# Altium PCB D5035_51.PcbDoc
Units mm, origin at the board's own origin, x right, y up, seen from the top; angles counter-clockwise.
Board outline 69 x 39 mm, 2 copper layers (Top Layer, Bottom Layer), stack 1.57 mm thick; 85 components, 68 nets, 275 pads, 49 vias.
Unrouted connection lines stored in the file: 1.
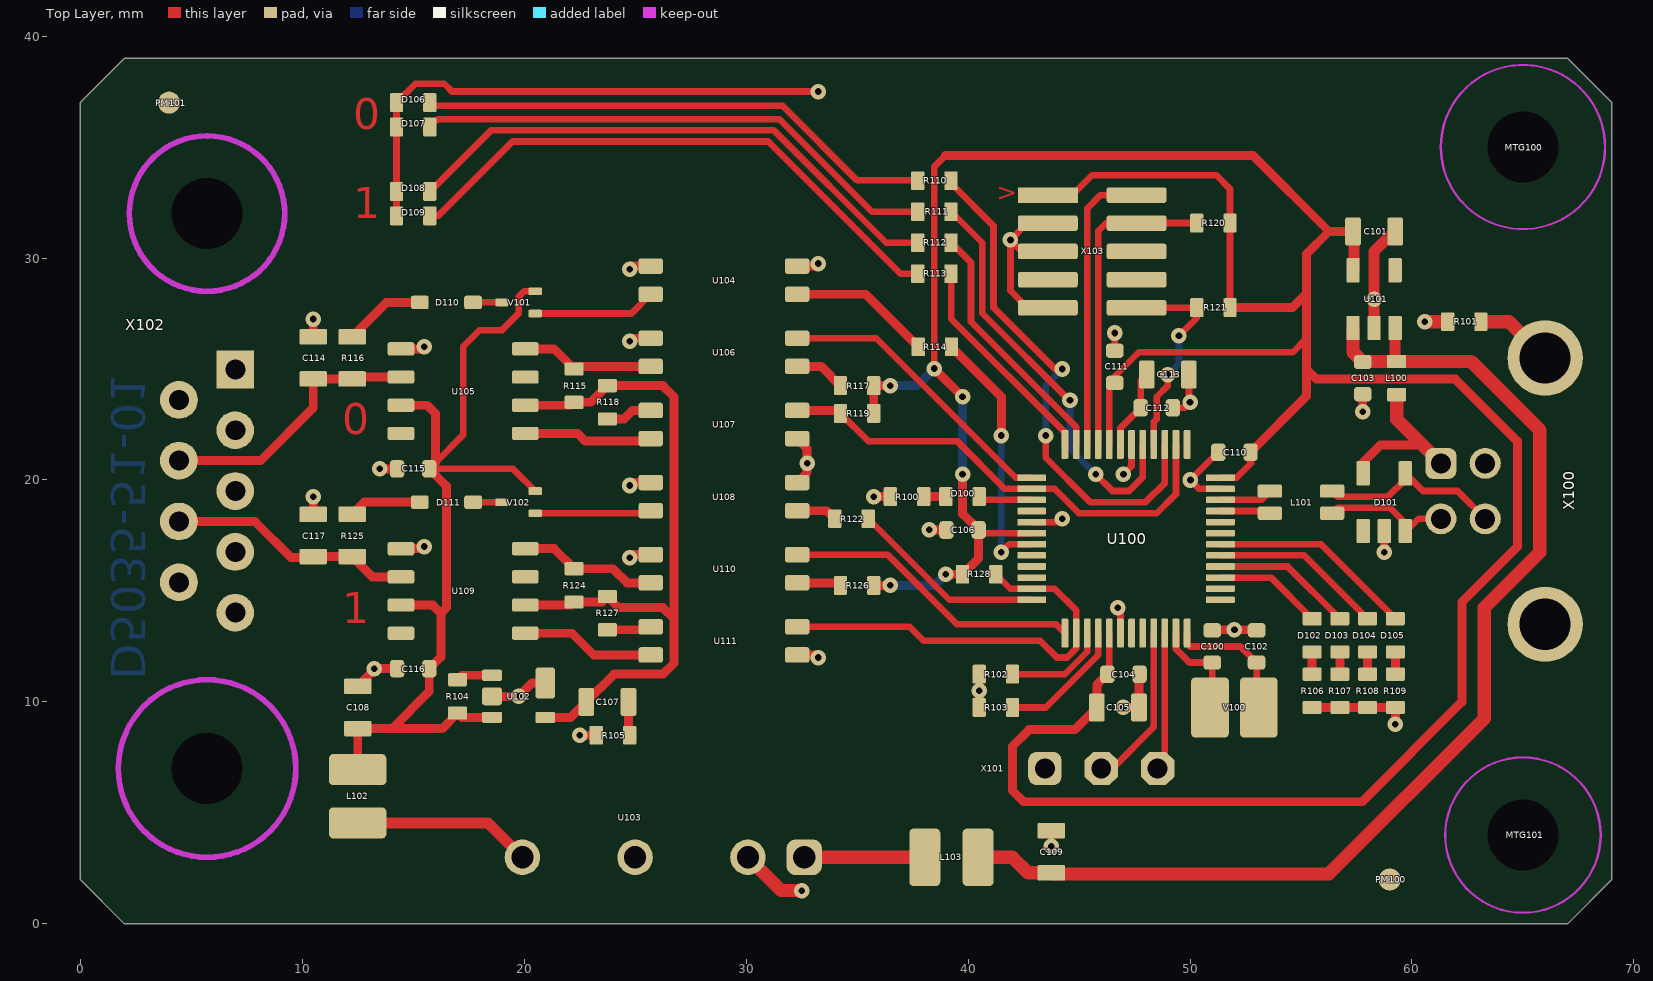
[diagram p0: Top Layer view]
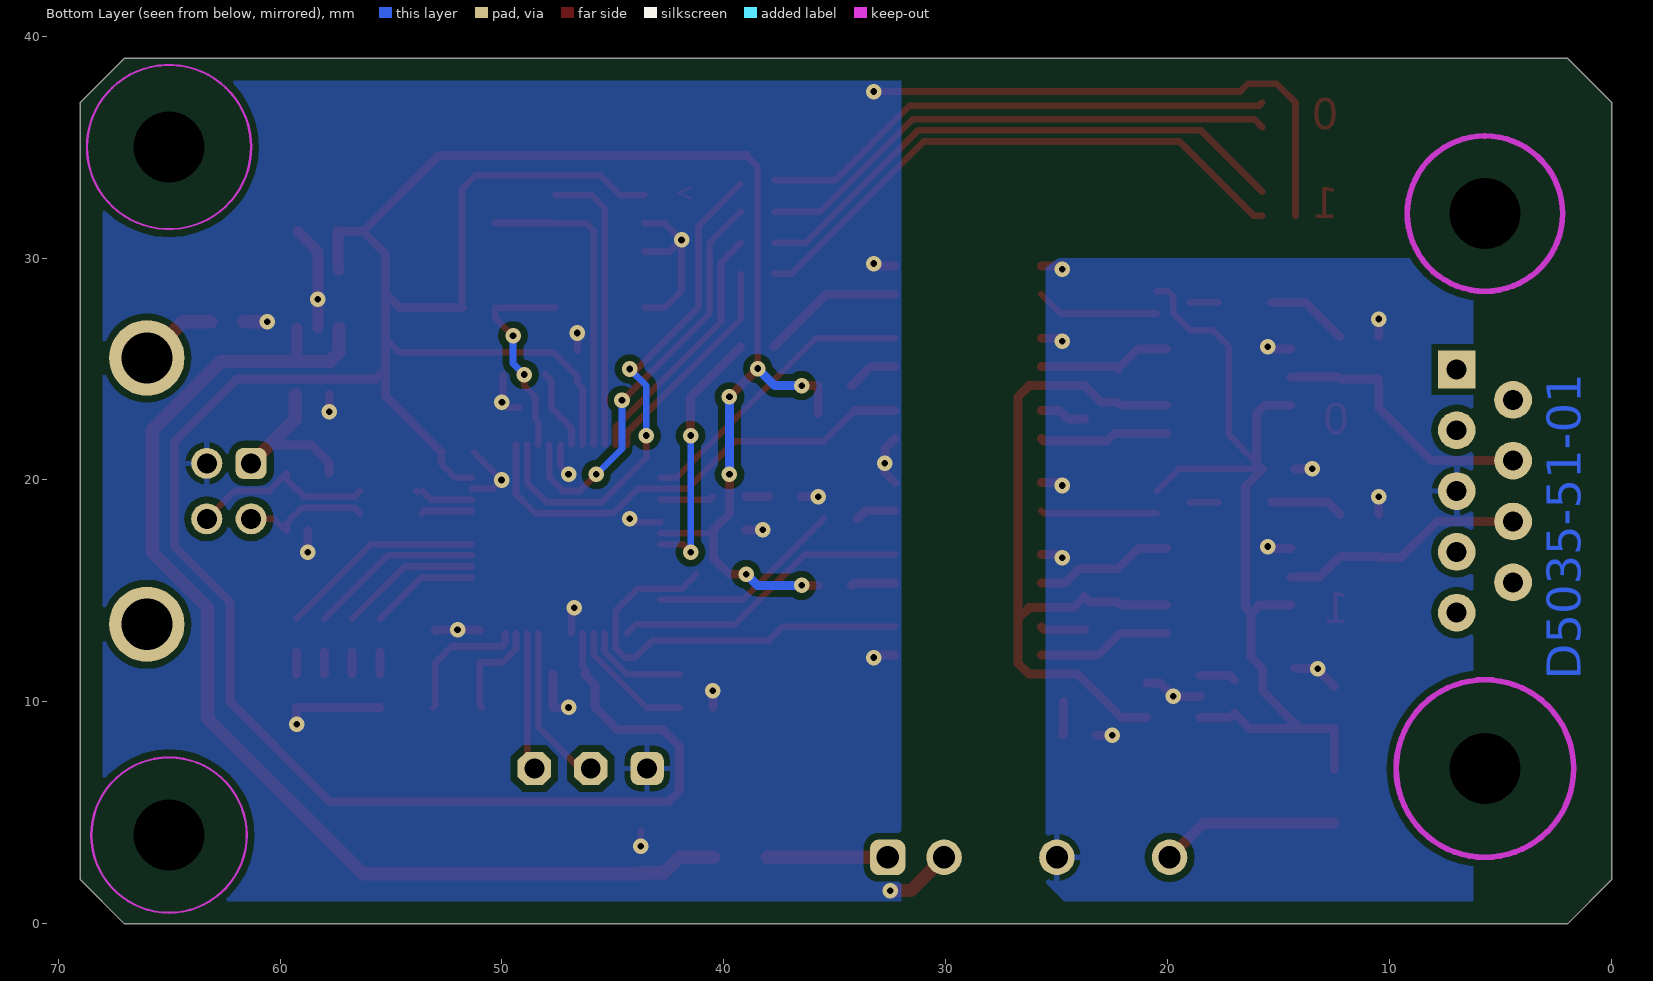
[diagram p1: Bottom Layer view, seen from below]
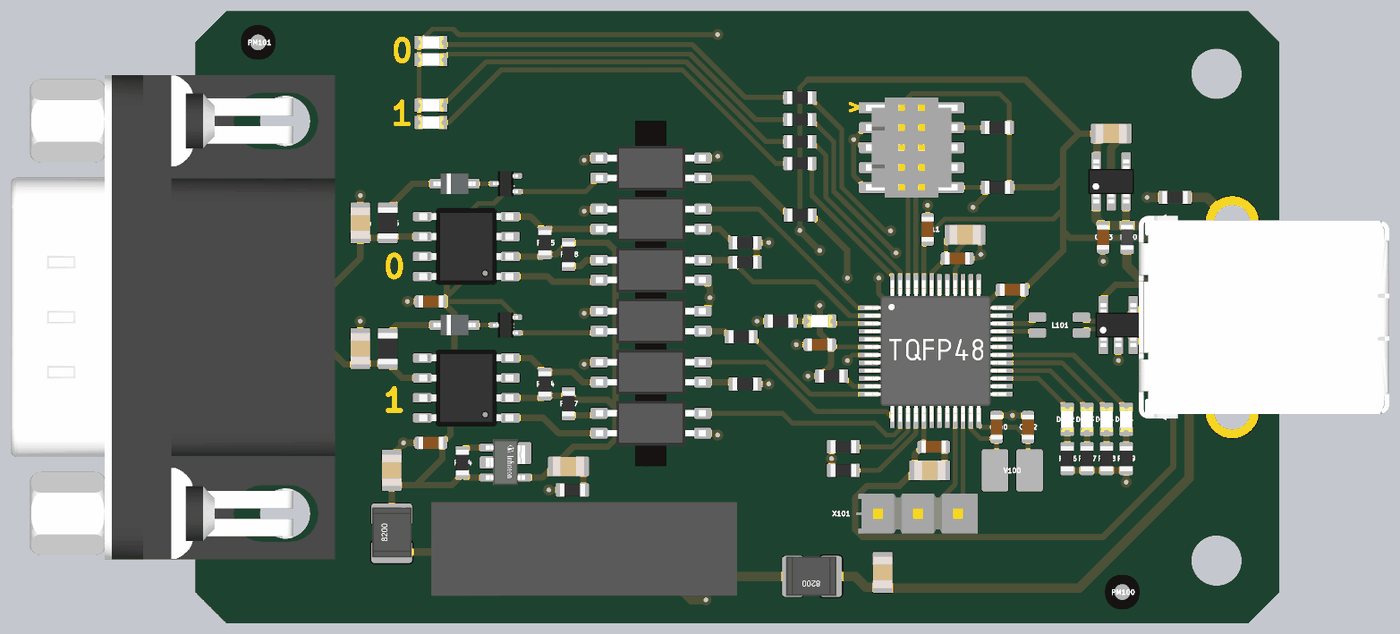
[diagram p2: 3D render of the assembled board from above, using the file's embedded part models]

## Layer stack, top to bottom
Top Solder: solder mask 0.01, Solder Resist, Dk 3.5
Top Layer: signal copper 0.035
Dielectric 1: dielectric 1.5, FR-4, Dk 4.8
Bottom Layer: signal copper 0.035
Bottom Solder: solder mask 0.01, Solder Resist, Dk 3.5

## Board outline
0,2 2,0 67,0 69,2 69,37 67,39 2,39 0,37

## Design rules (kind name [scope] priority, off if disabled: settings)
BoardOutlineClearance [All] p1: gap=1 ignorepadtopadclearanceinfootprint=FALSE
Clearance [All] p1: gap=0.152 ignorepadtopadclearanceinfootprint=FALSE except(0: Arc-Hole Track-Hole SMDPad-Hole THPad-Hole Via-Hole Fill-Hole Poly-Hole Region-Hole Text-Hole; 0.305: Arc-Poly Track-Poly SMDPad-Poly THPad-Poly Via-Poly Fill-Poly Poly-Poly) // 1
DiffPairsRouting [All] p1: maxlimit=0.254 minlimit=0.2 mostfreqgap=0.254 toplayer_minwidth=0.25 toplayer_maxwidth=0.381 toplayer_prefwidth=0.3 bottomlayer_minwidth=0.25 bottomlayer_maxwidth=0.381 bottomlayer_prefwidth=0.3 maxuncoupledlength=12.7
HoleSize [All] p1: absolutevalues=TRUE maxlimit=5.08 minlimit=0.3 maxpercent=80.000 minpercent=20.000
MinimumSolderMaskSliver [All] p1: minsoldermaskwidth=0.051
PasteMaskExpansion [All] p1 off: expansion=0
PolygonConnect PolygonConnect_2 [IsVia] p1: connectstyle=Direct reliefconductorwidth=0.254 reliefentries=4 polygonreliefangle="90 Angle" airgapwidth=0.254
PolygonConnect PolygonConnect_1 [IsPad] p2: thpad.connectstyle=Relief thpad.reliefconductorwidth=0.254 thpad.reliefentries=4 thpad.polygonreliefangle="90 Angle" thpad.airgapwidth=0.254 smdpad.connectstyle=Direct smdpad.reliefconductorwidth=0.254 smdpad.reliefentries=4 smdpad.polygonreliefangle="90 Angle" smdpad.airgapwidth=0.254 via.connectstyle=Direct via.reliefconductorwidth=0.254 via.reliefentries=4 via.polygonreliefangle="90 Angle" via.airgapwidth=0.254
PolygonConnect [All] p3: connectstyle=Relief reliefconductorwidth=0.406 reliefentries=4 polygonreliefangle="90 Angle" airgapwidth=0.254
RoutingVias [All] p1: holewidth=0.3 width=0.6 viastyle="Through Hole" minholewidth=0.3 minwidth=0.6 maxholewidth=1 maxwidth=2
SilkToBoardRegionClearance [All] p1 off:
SilkToSilkClearance [All] p1 off: silktosilkclearance=0.254
SilkToSolderMaskClearance [IsPad] p1 off: minsilkscreentomaskgap=0.254 clearancetoexposedcopper=TRUE
SolderMaskExpansion SolderMaskExpansion_VIA [IsVia] p1: expansion=0.051 istentingtop=FALSE soldermaskfromhole=TRUE
SolderMaskExpansion [All] p2: expansion=0.051 istentingtop=FALSE
Width [All] p1: maxlimit=2.54 minlimit=0.25 preferedwidth=0.3 minimp=50.000000 maximp=50.000000 favimp=50.000000
23 further rules are at their usual default settings.

## Components (designator, comment, footprint, x,y, rotation, side; value= is the part's Value field where it differs from the comment)
C100 "6p" CAPC1608X09L 51,12.5 r90 top
C101 "4µ7" CAPC2012X14L 58.292,31.194 r180 top
C102 "6p" CAPC1608X09L 53,12.5 r90 top
C103 "100n" CAPC1608X09L 57.784,24.59 r90 top
C104 "100n" CAPC1608X09L 47,11.25 r180 top
C105 "4µ7" CAPC2012X14L 46.75,9.75 r180 top
C106 "100n" CAPC1608X09L 39.75,17.75 r0 top
C107 "4µ7" CAPC2012X14L 23.75,10 r180 top
C108 "4µ7" CAPC2012X14L 12.5,9.75 r270 top
C109 "4µ7" CAPC2012X14L 43.75,3.25 r270 top
C110 "100n" CAPC1608X09L 52,21.25 r0 top
C111 "100n" CAPC1608X09L 46.608,25.098 r270 top
C112 "100n" CAPC1608X09L 48.5,23.25 r180 top
C113 "4µ7" CAPC2012X14L 49,24.75 r180 top
C114 "220p" CAPC2012X14L 10.5,25.5 r270 top
C115 "100n" CAPC1608X09L 15,20.5 r0 top
C116 "100n" CAPC1608X09L 15,11.5 r0 top
C117 "220p" CAPC2012X14L 10.5,17.5 r270 top
D100 "green" DIOC1608X06N_LED 39.75,19.25 r0 top
D101 "WE_824011" SOT95P280X110-5N 58.75,19 r90 top
D102 "red" DIOC1608X06N_LED 55.5,13 r90 top
D103 "yellow" DIOC1608X06N_LED 56.75,13 r90 top
D104 "green" DIOC1608X06N_LED 58,13 r90 top
D105 "blue" DIOC1608X06N_LED 59.25,13 r90 top
D106 "green" DIOC1608X06N_LED 15,37 r0 top
D107 "red" DIOC1608X06N_LED 15,35.9 r0 top
D108 "green" DIOC1608X06N_LED 15,33 r0 top
D109 "red" DIOC1608X06N_LED 15,31.9 r0 top
D110 "1N4148WS" SOD323 16.5,28 r0 top
D111 "1N4148WS" SOD323 16.5,19 r0 top
L100 "WE_742792641" INDC1608X06L 59.308,24.59 r90 top
L101 "WE_744232090" WE_744232090 55,19 r180 top
L102 "82103C" Murata_8200C 12.5,5.75 r90 top
L103 "82103C" Murata_8200C 39.25,3 r180 top
MTG100 "MH_M3" HOLE_3_2MM 65,35 r0 top
MTG101 "MH_M3" HOLE_3_2MM 65,4 r0 top
PM100 "Fidicual" PM100 59,2 r0 top
PM101 "Fidicual" PM100 4,37 r0 top
R100 "2k" RESC1608X06L 37.25,19.25 r0 top
R101 "10k" RESC1608X06L 62.356,27.13 r0 top
R102 "10k" RESC1608X06L 41.25,11.25 r180 top
R103 "10k" RESC1608X06L 41.25,9.75 r180 top
R104 "10k" RESC1608X06L 17,10.25 r270 top
R105 "3.3R" RESC1608X06L 24,8.5 r180 top
R106 "1k" RESC1608X06L 55.5,10.5 r90 top
R107 "1k" RESC1608X06L 56.75,10.5 r90 top
R108 "1k" RESC1608X06L 58,10.5 r90 top
R109 "1k" RESC1608X06L 59.25,10.5 r90 top
R110 "2k" RESC1608X06L 38.48,33.48 r0 top
R111 "1k" RESC1608X06L 38.48,32.083 r0 top
R112 "2k" RESC1608X06L 38.48,30.686 r0 top
R113 "1k" RESC1608X06L 38.48,29.289 r0 top
R114 "2k" RESC1608X06L 38.5,26 r180 top
R115 "4k7" RESC1608X06L 22.25,24.25 r90 top
R116 "1k/500mW" RESC2012X06L 12.25,25.5 r90 top
R117 "2k" RESC1608X06L 35,24.25 r180 top
R118 "4k7" RESC1608X06L 23.75,23.5 r270 top
R119 "4k7" RESC1608X06L 35,23 r180 top
R120 "10k" RESC1608X06L 51.053,31.575 r180 top
R121 "10k" RESC1608X06L 51.053,27.765 r180 top
R122 "2k" RESC1608X06L 34.75,18.25 r180 top
R124 "4k7" RESC1608X06L 22.25,15.25 r270 top
R125 "1k/500mW" RESC2012X06L 12.25,17.5 r90 top
R126 "2k" RESC1608X06L 35,15.25 r180 top
R127 "4k7" RESC1608X06L 23.75,14 r90 top
R128 "4k7" RESC1608X06L 40.5,15.75 r180 top
U100 "SAMDA1G16B-AU" TQFP50P900X900X120-48N 47.116,17.351 r0 top
U101 "MIC5317-3.3YD5" SOT95P280X110-5N 58.292,28.146 r90 top
U102 "TLE4296GV50" INF-PG-SCT595V 19.75,10.25 r270 top
U103 "TBA1-0512E" MER1SxxxxC 25,3 r180 top
U104 "VOS618A-3T" SSOP-4 29,29 r180 top
U105 "TLIN1029A" SOIC127P600X175-8N 17.25,24 r180 top
U106 "VOS618A-3T" SSOP-4 29,25.75 r180 top
U107 "VOS618A-3T" SSOP-4 29,22.5 r0 top
U108 "VOS618A-3T" SSOP-4 29,19.25 r180 top
U109 "TLIN1029A" SOIC127P600X175-8N 17.25,15 r180 top
U110 "VOS618A-3T" SSOP-4 29,16 r180 top
U111 "VOS618A-3T" SSOP-4 29,12.75 r0 top
V100 "16MHz" NX3225Gx 52,9.75 r180 top
V101 "DTA114EET1G" SOT50P162X60-3N 19.75,28 r180 top
V102 "DTA114EET1G" SOT50P162X60-3N 19.75,19 r180 top
X100 "61729-0010BLF" 61729-XXXXXLF 66,19.5 r90 top
X101 "1x3 2,54mm" PINH_1x03_2_54mm 46,7 r0 top
X102 "9651226803" 09651226803 6.985,19.5 r90 top
X103 "SWD" FTSH-105-01-L-DV-K 45.592,30.305 r270 top

## Footprints (in the part's own frame and the unit in brackets; to place one, negate y for a bottom-side part, rotate by r counter-clockwise, add the part's x,y. Pads: shape width x height; smd on the part's side, far side on the other; paste and mask are expansions set on the pad)
61729-XXXXXLF [mm] "USB Buchse"
  rrect50% 1.4x1.4 hole 0.9: 1(1.25,4.7)
  round 1.4 hole 0.9: 2(-1.25,4.7) 3(-1.25,2.7) 4(1.25,2.7)
  round 3.4 hole 2.3: Shell(-6,0) Shell(6,0)
  body extent -6.56,-10 6.56,5.94, height 1.15
09651226803 [mm]
  rect 1.7x1.7 hole 0.9: 1(5.48,0)
  round 1.7 hole 0.9: 2(2.74,0) 3(0,0) 4(-2.74,0) 5(-5.48,0) 6(4.11,2.54) 7(1.37,2.54) 8(-1.37,2.54) 9(-4.11,2.54)
  round 0 hole 3.2 unplated: SH(-12.5,1.27) SH(12.5,1.27)
  body extent -15.41,-1.9 15.41,18.75, height 12.77
CAPC1608X09L [mm] "Chip Capacitor, 2-Leads, Body 1,6x0,8mm, IPC High Density"
  rrect50% 0.65x0.8 smd: 1(-0.725,0) 2(0.725,0)
  body extent -0.8,-0.4 0.8,0.4, height 0.6
CAPC2012X14L [mm] "Chip Capacitor, 2-Leads, Body 2,0x1,3mm, IPC High Density"
  rrect20% 0.7x1.25 smd: 1(-0.95,0) 2(0.95,0)
  body extent -1,-0.62 1,0.62, height 0.6
DIOC1608X06N_LED [mm]
  rrect20% 0.6x0.85 smd: 1(-0.75,0) 2(0.75,0)
  body extent -0.8,-0.4 0.8,0.4, height 0.7
FTSH-105-01-L-DV-K [mm] "SAMTEC FTSH 5pin doppelreihig, 1,27mm x 1,27mm"
  rect 0.7x2.7 smd: 1(-2.53,-2)
  rrect30% 0.7x2.7 smd: 2(-2.53,2) 3(-1.26,-2) 4(-1.26,2) 5(0.01,-2) 6(0.01,2) 7(1.28,-2) 8(1.28,2) 9(2.55,-2) 10(2.55,2)
  body extent -3.17,-2.92 3.18,2.92, height 6.11
HOLE_3_2MM [mm] "Mouting-Hole for screws M3 with keepout for washer"
  round 0 hole 3.2 unplated: 1(0,0)
  Keep-Out Layer circle w0.1: c0,0 r3.7
INDC1608X06L [mm] "Ferrite Bead 2-Leads, Body 1,6x0,8mm, IPC High Density"
  rrect20% 0.6x0.85 smd: 1(-0.75,0) 2(0.75,0)
  body extent -0.8,-0.4 0.8,0.4, height 0.8
INF-PG-SCT595V [mm] "SOT23, 5-Leads, Body 2.9x1.6mm, Pitch 0.95mm"
  rrect30% 0.5x0.9 smd: 1(-0.95,-1.2) 3(0.95,-1.2) 4(0.95,1.2)
  rrect30% 0.8x0.9 smd: 2(0,-1.2)
  rrect30% 1.4x0.9 smd: 5(-0.6,1.2)
  body extent -1.45,-1.25 1.45,1.25, height 1.11
MER1SxxxxC [mm]
  rrect50% 1.6x1.6 hole 1: 1(-7.62,0)
  round 1.6 hole 1: 2(-5.08,0) 4(0,0) 6(5.08,0)
  body extent -9.5,-4.77 10,1.25, height 10.1
Murata_8200C [mm]
  rrect30% 1.4x2.6 smd paste+0 mask+0.102: 1(-1.2,0)
  rrect30% 1.4x2.6 smd: 2(1.2,0)
  body extent -1.55,-1.26 1.65,1.24, height 2
NX3225Gx [mm] "Quartz Crystal Units NX3225Gx for Automotive, 2-Leads, Body 3.2x2.5mm, IPC Medium Density"
  rrect20% 1.7x2.7 smd: 1(-1.1,0) 2(1.1,0)
  body extent -1.7,-1.3 1.7,1.3, height 1
PINH_1x03_2_54mm [mm] "Pin-Header 3 polig"
  rrect50% 1.5x1.5 hole 0.9: 1(-2.54,0)
  oct 1.5x1.5 hole 0.9: 2(0,0) 3(2.54,0)
  body extent -3.94,-1.27 3.81,1.27, height 8.38
PM100 [mm] "Passermarke für Bestueckungsautomaten rund"
  rect 0.2x0.2 smd mask+1: 1(0,0)
  round 1 smd: 1(0,0)
  Top Layer pour cut-out: -1.2,1.2 1.2,1.2 1.2,-1.2 -1.2,-1.2
RESC1608X06L [mm] "Chip Resistor, 2-Leads, Body 1,6x0,8mm, IPC High Density"
  rrect20% 0.6x0.85 smd: 1(-0.75,0) 2(0.75,0)
  body extent -0.8,-0.4 0.8,0.4, height 0.4
RESC2012X06L [mm] "Chip Resistor, 2-Leads, Body 2,0x1,3mm, IPC High Density"
  rrect20% 0.7x1.25 smd: 1(-0.95,0) 2(0.95,0)
  body extent -1,-0.63 1,0.63, height 0.5
SOD323 [mm] "Molded Diode, 2-Leads, Body 2,7x1,6mm, IPC Medium Density"
  rrect30% 0.8x0.6 smd: 1(-1.2,0) 2(1.2,0)
  body extent -1.34,-0.65 1.34,0.65, height 0.94
SOIC127P600X175-8N [mm] "SOIC, 8-Leads, Body 5,0x4,0mm (max), Pitch 1,27mm, IPC Medium Density"
  rrect30% 1.2x0.6 smd: 1(-2.8,1.905) 2(-2.8,0.635) 3(-2.8,-0.635) 4(-2.8,-1.905) 5(2.8,-1.905) 6(2.8,-0.635) 7(2.8,0.635) 8(2.8,1.905)
  body extent -3,-2.45 3,2.45, height 1.7
SOT50P162X60-3N [mm] "SC89/SOT666, 3-Leads, Body 1,7x1,7mm (max), Pitch 0,50mm, IPC Medium Density"
  rrect30% 0.6x0.35 smd: 1(-0.75,0.5) 2(-0.75,-0.5) 3(0.75,0)
  body extent -0.8,-0.8 0.8,0.8, height 0.78
SOT95P280X110-5N [mm] "SOT23, 5-Leads, Body 3,0x3,0mm (max), Pitch 0,95mm, IPC Medium Density"
  rrect20% 1.1x0.6 smd: 1(-1.3,0.95) 2(-1.3,0) 3(-1.3,-0.95) 4(1.3,-0.95) 5(1.3,0.95)
  body extent -1.4,-1.45 1.4,1.45, height 1.45
SSOP-4 [mm]
  rrect30% 1.1x0.7 smd: 1(-3.3,0.635) 2(-3.3,-0.635) 3(3.3,-0.635) 4(3.3,0.635)
  body extent -3.5,-1.43 3.5,1.43, height 2.1
TQFP50P900X900X120-48N [mm] "TSQFP, 48-Leads, Body 9,2x9,2mm (max), Pitch 0,50mm, IPC Medium Density"
  rrect30% 1.3x0.3 smd: 1(-4.25,2.75) 2(-4.25,2.25) 3(-4.25,1.75) 4(-4.25,1.25) 5(-4.25,0.75) 6(-4.25,0.25) 7(-4.25,-0.25) 8(-4.25,-0.75) 9(-4.25,-1.25) 10(-4.25,-1.75) 11(-4.25,-2.25) 12(-4.25,-2.75) 25(4.25,-2.75) 26(4.25,-2.25) 27(4.25,-1.75) 28(4.25,-1.25) 29(4.25,-0.75) 30(4.25,-0.25) 31(4.25,0.25) 32(4.25,0.75) 33(4.25,1.25) 34(4.25,1.75) 35(4.25,2.25) 36(4.25,2.75)
  rrect30% 0.3x1.3 smd: 13(-2.75,-4.25) 14(-2.25,-4.25) 15(-1.75,-4.25) 16(-1.25,-4.25) 17(-0.75,-4.25) 18(-0.25,-4.25) 19(0.25,-4.25) 20(0.75,-4.25) 21(1.25,-4.25) 22(1.75,-4.25) 23(2.25,-4.25) 24(2.75,-4.25) 37(2.75,4.25) 38(2.25,4.25) 39(1.75,4.25) 40(1.25,4.25) 41(0.75,4.25) 42(0.25,4.25) 43(-0.25,4.25) 44(-0.75,4.25) 45(-1.25,4.25) 46(-1.75,4.25) 47(-2.25,4.25) 48(-2.75,4.25)
  body extent -4.51,-4.51 4.51,4.51, height 1.1
WE_744232090 [mm] "SMD Stromkomp. Datenleitungsfilter WE-CNSW"
  rrect30% 1.1x0.6 smd: 1(-1.4,0.5) 2(1.4,0.5) 3(1.4,-0.5) 4(-1.4,-0.5)
  body extent -1.7,-0.9 1.7,0.9, height 1.8

## Part data
C100 C102 C103 C104 C106 C110 C111 C112 C115 C116: library part CAPC_0603, "0603 Chip Capacitor", Bauteilart=Capacitor, Editor=rriedel, Kategorie=generic, PackageDescription=0603, Part Number=CAPC_0603, Status=tested, Unterart=unpolarized
C101 C105 C107 C108 C109 C113 C114 C117: library part CAPC_0805, "0805 Chip Capacitor", Bauteilart=Capacitor, Editor=rriedel, Kategorie=generic, PackageDescription=0805, Part Number=CAPC_0805, Status=tested, Unterart=unpolarized
D100 D102 D103 D104 D105 D106 D107 D108 D109: library part LED_0603, "LED, 0603", Bauteilart=Diode, Date=29.06.2020, Editor=rriedel, Kategorie=generic, PackageDescription=0603, Part Number=LED_0603, Status=new, Unterart=generic
D101: "TVS Diode Array WE-TVS", Manufacturer=Wuerth, Bauteilart=Diode, Date=22.06.2020, Distributor_1=Digi-Key, Distributor_1_Part_Number=732-4465-1-ND, Editor=rriedel, Kategorie=Part, PackageDescription=SOT23-5, Part Number=WE_824011, Part_Number_1=824011, Status=new, Unterart=ESD
D110 D111: "Small Signal Diode IF 0.15A, VR 75V, SOD323F", Bauteilart=Diode, Date=14.03.2022, Distributor_1=LCSC, Distributor_1_Part_Number=C2128, Editor=rriedel, Kategorie=Part, PackageDescription=SOD323F, Part Number=1N4148WS, Status=new, Unterart="Small Signal"
L100: "SMT EMI suppression ferrite bead WE-CBF", Manufacturer=Wuerth, Bauteilart=Inductor, Date=22.06.2020, Distributor_1=Digi-Key, Distributor_1_Part_Number=732-1592-1-ND, Editor=rriedel, Kategorie=Part, PackageDescription=0603, Part Number=WE_742792641, Part_Number_1=742792641, Status=new, Unterart="Ferrite Bead"
L101: "SMD common mode noise suppressor WE-CNSW", Manufacturer=Wuerth, Bauteilart=Inductor, Date=22.06.2020, Distributor_1=Digi-Key, Distributor_1_Part_Number=732-1469-1-ND, Editor=rriedel, Kategorie=Part, PackageDescription=3216, Part Number=WE_744232090, Part_Number_1=744232090, Status=new, Unterart=Filter
L102 L103: "10µH, 0,5A, 400mR", Manufacturer=Murata, Bauteilart=Inductor, Date=27.06.2020, Distributor_1=Digi-Key, Distributor_1_Part_Number=811-2473-1-ND, Editor=rriedel, Kategorie=Part, PackageDescription="3,2x2,5 mm", Part Number=82103C, Part_Number_1=82103C, Status=new, Unterart=Power
MTG100 MTG101: "Mounting-Hole for M3 screws", Bauteilart=Mechanic, Date=13.05.2018, Editor=rriedel, Kategorie=No_Bom, Part Number=MH_M3, Status=tested, Unterart=Holes
PM100 PM101: library part PM100, "Passermarke für Bestueckungsautomaten 1mm rund, 2,2mm quadratischer Ausschnitt, 2,1 mm Ausstellung Loetstoplack", Bauteilart=Manufacturing, Date=22.02.2017, Editor=rriedel, Kategorie=No_Bom, PackageDescription="Passermarke 1.0mm rund", Part Number=PM100, Status=tested, Unterart=Passermarke
R100 R101 R102 R103 R104 R105 R106 R107 R108 R109 R110 R111 R112 R113 R114 R115 R117 R118 R119 R120 R121 R122 R124 R126 R127 R128: library part RESC_0603, "0603 Chip Resistor", Bauteilart=Resistor, Editor=rriedel, Kategorie=generic, PackageDescription=0603, Part Number=RESC_0603, Status=tested, Unterart=generic
R116 R125: library part RESC_0805, "0805 Chip Resistor", Bauteilart=Resistor, Editor=rriedel, Kategorie=generic, PackageDescription=0805, Part Number=RESC_0805, Status=tested, Unterart=generic
U100: "32-bit Microcontroller, 48MHz Cortex M0, 64k FLASH,  USB, -40…85°C", Manufacturer=Microchip, Bauteilart=MikroController, Date=22.05.2022, Distributor_1=Mouser, Distributor_1_Part_Number=556-ATSAMDA1G16B-ABT, Distributor_2=Digi-Key, Distributor_2_Part_Number=ATSAMDA1G16B-ABTCT-ND, Editor=rriedel, Kategorie=Part, PackageDescription=TQFP48-0.5mm, Part Number=SAMDA1G16B-AU, Part_Number_1=SAMDA1G16B-AU, Status=new, Unterart="32bit Microchip"
U101: library part MIC5233-3.3, "100 mA LDO,  Vout= 3,3V, -40°C..125°C", Manufacturer=Microchip, Bauteilart=IC, ComponenLinkDescription=Datasheet, ComponenLinkURL="D:\Altium_lib_HW-Labor_GF\Altium_lib\Datenblaetter\pcb\Integrierte Schaltkreise\Microchip\mic5233.pdf", Date=15.09.2016, Distributor_1=Farnell, Distributor_1_Part_Number=2510274, Editor=rriedel, Kategorie=Part, PackageDescription=SOT23-5, Part Number=MIC5233-3.3, Part_Number_1=MIC5233-3.3YM5, Status=tested, Unterart=Linear-Regulators
U102: "30 mA LDO, Vout = 5,0V, 4%", Manufacturer=Infineon, Bauteilart=IC, ComponenLinkDescription=Datasheet, ComponenLinkURL="D:\Altium_lib_HW-Labor_GF\Altium_lib\Datenblaetter\pcb\Integrierte Schaltkreise\Infineon\BTS3800SL.pdf", Date=07.03.2022, Editor=rriedel, Kategorie=Part, PackageDescription=SCT595, Part Field 2=SCT595-5, Part Number=TLE4296GV50, Part_Number_1=TLE4296GV50, Status=new, Unterart=Linear-Regulators
U103: library part MER1S0505SC, "Isolated 1W Single Output DC-DC Converters 5V/12V 84mA", Manufacturer=Murata, Bauteilart=Module, Date=27.06.2020, Distributor_1=Digi-Key, Distributor_1_Part_Number=811-2124-5-ND‎, Editor=rriedel, Kategorie=Part, PackageDescription="4Pin SIP", Part Number=MER1S0505SC, Part_Number_1=MER1S0505SC, Status=new, Unterart=DCDC
U104 U106 U107 U108 U110 U111: "Optocoupler, Phototransistor Output, Low Input Current, SSOP-4", Manufacturer=Vishay, Bauteilart=Opto, Date=28.02.2022, Distributor_1=Digi-Key, Distributor_1_Part_Number=VOS618A-3TCT-ND‎, Editor=rriedel, Kategorie=Part, PackageDescription=SSOP-4, Part Number=VOS618A-3T, Part_Number_1=VOS618A-3T, Status=new, Unterart=Optocoupler
U105 U109: "LIN transceiver", Manufacturer=TI, Bauteilart=IC, Date=27.02.2022, Distributor_1=Mouser, Distributor_1_Part_Number=595-TLIN1029ADRQ1, Editor=rriedel, Kategorie=Part, PackageDescription=SO8, Part Number=TLIN1029A, Part_Number_1=TLIN1029A, Status=new, Unterart=LIN
V100: library part NX3225GB-16.000000MHZ, "16.000MHz Crystal SMD, 3.2x2.5mm, 8pF, 50ppm,  -40..+150°C", Manufacturer=NDK, Bauteilart=Crystal, Date=22.10.2015, Distributor_1=Digi-Key, Distributor_1_Part_Number=644-1233-1-ND, Distributor_2=Frischer, Editor=rriedel, Kategorie=Part, PackageDescription="NX3225Gx 3,2mm x 2,5mm", Part Number=NX3225GB-16.000000MHZ, Part_Number_1=NX3225GB-16M-STD-CRA-2, Status=tested, Unterart="NX3225GB automotive"
V101 V102: "PNP Transistor with Resistors (10kΩ, 10kΩ)  VCE= 50V, IC=100mA, SOT23, AEC Q101", Bauteilart=Transistor, Date=19.12.2021, Editor=rriedel, Kategorie=Part, PackageDescription=SC-75, Part Number=DTA114EET1G, Status=new, Unterart=PNP
X100: "USB-B socket, THT", Manufacturer=Amphenol, Bauteilart=Connector, Date=28.06.2020, Distributor_1=Digi-Key, Distributor_1_Part_Number=609-1039-ND, Editor=rriedel, Kategorie=Part, PackageDescription=USB-B, Part Number=61729-0010BLF, Part_Number_1=61729-0010BLF, Status=new, Unterart=USB
X101: library part PINH_1x3_2_54, "Pin-Header 2,54 mm 3pins", Bauteilart=Connector, Date=02.02.2017, Editor=rriedel, Kategorie=generic, Part Number=PINH_1x3_2_54, Status=tested, Unterart=Pin-Header
X102: "D-Sub, 9 pin, male, right angle", Manufacturer=Harting, Bauteilart=Connector, Date=29.06.2020, Distributor_1=Farnell, Distributor_1_Part_Number=2752007, Editor=rriedel, Kategorie=Part, PackageDescription=D-Sub, Part Number=9651226803, Part_Number_1=9651226803, Status=new, Unterart=D-Sub
X103: "ARM Debug-Header 2x5 1,27 mm", Bauteilart=Connector, Date=12.08.2018, Editor=rriedel, Kategorie=Part, PackageDescription="2x5 1,27mm", Part Number=SWD, Status=tested, Unterart=Debug

## Via types
v1: diameter 0.7, hole 0.3, Top Layer to Bottom Layer, tented both sides, 49 vias

## Nets (pads, with @x,y where several pads share a name; then routed paths per layer and width w, separated by ;. In a path a pad name is that pad's centre, name@x,y a point inside that pad or via, vN(x,y) a via of type N, cw(c..) or ccw(c..) an arc to the next point about the centre after c; other vN are vias at no path point)
3V3: C101.2 C104.2 C105.2 C106.2 C110.2 C111.2 R117.1 R119.1 R120.1 R121.1 R126.1 R128.2 U100.6 U100.17 U100.36 U100.44 U101.5 X103.1 | length 152.7
  Top Layer w0.3: v1(38.48,25.02) 38.48,34.115 38.988,34.623 ; C106.2 40.624,17.601 U100.6 ; X103.1 44.693,32.835 45.592,33.734 51.18,33.734 51.803,33.111 R120.1 R121.1 ; C104.2@46.188,11.413 46.366,11.591 U100.17 ; U100.44 46.366,24.131 C111.2 46.608,24.67 47.398,25.459 47.688,25.75 54.626,25.75 55.244,26.368 ; U100.36 52.101,20.101 52.75,20.75 52.725,20.775 C110.2
  Top Layer w0.4: R126.1 v1(36.5,15.25) ; R119.1 R117.1 v1(36.5,24.25) ; v1(38.48,25.02) v1(39.75,23.75) ; 38.988,34.623 52.831,34.623 56.26,31.194 ; v1(39,15.75) R128.2 40.475,16.475 C106.2 39.75,18.475 v1(39.75,20.25) ; C104.2 45.8,10.775 C105.2 44.8,8.75 42.75,8.75 42,8 42,6 42.5,5.5 57.75,5.5 62.25,10 62.25,14.5 64.75,17 64.75,21.75 61.958,24.542 55.702,24.542 55.244,25 ; R121.1 54.609,27.765 55.244,28.4 ; C110.2 55.244,23.769 55.244,25 ; C101.2@57.392,31.194 C101.2 56.26,31.194 ; 55.244,25 55.244,26.368 55.244,28.4 ; 55.244,28.4 55.244,30.178 56.26,31.194
  Top Layer w0.5: U101.5 57.392,29.496 C101.2@57.392,31.194
  Bottom Layer w0.4: v1(36.5,15.25) 38.5,15.25 v1(39,15.75) ; v1(36.5,24.25) 37.71,24.25 v1(38.48,25.02) ; v1(39.75,20.25) v1(39.75,23.75)
5V: C103.2 C109.2 L100.2 L103.1 U101.1 U101.3 | length 52.5
  Top Layer w0.5: U101.3 59.242,25.406 L100.2
  Top Layer w0.6: L103.1 42,3 42.7,2.3 C109.2 43.8,2.25 56.25,2.25 63.25,9.25 63.25,14.25 65.75,16.75 65.75,22.25 62.66,25.34 L100.2 57.809,25.34 C103.2 57.342,25.757 U101.1
5Viso: C107.2 R115.1 R118.1 R124.2 R127.2 U102.4 U105.2 U109.2 | length 33.4
  Top Layer w0.4: U109.2 22.115,14.365 R124.2 23.5,14.5 R127.2 24.25,14.25 26.25,14.25 26.75,13.75 ; U105.2 22.115,23.365 R115.1 23,23.5 R118.1 26.25,24.25 26.75,23.75 26.75,13.75 ; U102.4 22.1,9.3 C107.2 24.05,11.25 26.25,11.25 26.75,11.75 26.75,13.75
12Viso: C108.2 C115.2 C116.2 L102.2 R104.2 U102.3 U105.7 U109.7 V101.2 V102.2 | length 44.8
  Top Layer w0.3: V102.2 19.5,20.5 C115.2 16,20.775 17.25,22.025 17.25,26 18,26.75 19,26.75 19.75,27.5 19.75,28.25 20,28.5 V101.2
  Top Layer w0.4: L102.2 C108.2 ; U109.7 15.885,14.365 16.25,14 ; U105.7 15.635,23.365 16,23 C115.2@16,20.775 ; C115.2 16.5,19.725 16.5,14.25 16.25,14 ; U102.3 17.2,9.3 R104.2 16.3,8.8 13.025,8.8 C108.2 ; C108.2 14.05,8.8 15.725,10.475 C116.2 16.25,12.025 16.25,14
Debug_LED: D100.2 U100.3 | length 2.4
  Top Layer w0.3: D100.2 40.649,19.101 U100.3
GND: C100.2 C101.1 C102.2 C103.1 C104.1 C105.1 C106.1 C109.1 C110.1 C111.1 C112.1 C113.1 D101.2 D106.1 D107.1 D108.1 D109.1 R100.1 R101.1 R102.2 R103.2 R106.1 R107.1 R108.1 R109.1 U100.5 U100.18 U100.35 U100.42 U101.2 U103.2 U104.2 U107.3 U108.2 U111.3 X100.4 X101.1 X103.3 X103.5 X103.9 | length 69.8
  Top Layer w0.3: D109.1 D108.1 D107.1 D106.1 15.1,37.85 16.4,37.85 16.75,37.5 v1(33.25,37.5) ; U100.5 44.101,18.101 v1(44.25,18.25) ; X103.9 42.681,27.755 41.909,28.527 v1(41.909,30.813) ; X103.5 42.427,30.295 v1(41.909,30.813) ; X103.3 42.661,31.565 v1(41.909,30.813) ; v1(43.75,3.5) C109.1 ; C111.1 v1(46.608,26.622) ; v1(46.75,14.25) 46.866,14.134 U100.18 ; v1(47,20.25) 47.366,20.616 U100.42 ; C112.1 49.75,23.25 v1(50,23.5) 49.95,23.55 C113.1 ; v1@50.008,19.999 51.259,21.25 C110.1 ; v1(50.018,19.999) 50.018,19.988 50.405,19.601 U100.35
  Top Layer w0.4: U111.3 33.135,12.115 v1(33.25,12) ; U108.2 32.75,20.335 v1(32.75,20.75) 32.75,21.415 U107.3 ; U104.2 33.135,29.635 v1(33.25,29.75) ; v1(35.75,19.25) R100.1 ; v1(38.25,17.75) C106.1 ; R103.2 v1(40.5,10.5) ; v1(47,9.75) C105.1 47.7,11.225 C104.1 ; C100.2 51.025,13.25 v1(52,13.25) 52.975,13.25 C102.2 ; R106.1 R107.1 R108.1 R109.1 v1(59.25,9) ; v1(57.784,23.066) C103.1 ; v1(58.75,16.75) D101.2
  Top Layer w0.5: U101.2 v1(58.292,28.146) 58.292,30.294 C101.1@59.192,31.194
  Top Layer w0.6: U103.2 31.58,1.5 v1(32.5,1.5) ; v1(60.578,27.13) R101.1
GND2: C108.1 C114.1 C115.1 C116.1 C117.1 R105.2 U102.2 U102.5 U103.4 U104.3 U105.5 U106.3 U108.3 U109.5 U110.3 X102.3 | length 14.1
  Top Layer w0.4: C117.1 v1(10.5,19.25) ; C114.1 v1(10.5,27.25) ; C108.1 13.25,11.45 v1(13.25,11.5) C116.1 ; v1(13.5,20.5) C115.1 ; U109.5 15.405,16.905 v1(15.5,17) ; U105.5 15.405,25.905 v1(15.5,26) ; U102.2 v1(19.75,10.25) 20.35,10.85 U102.5 ; v1(22.5,8.5) R105.2 ; v1(24.75,16.5) 24.885,16.635 U110.3 ; v1(24.75,19.75) 24.885,19.885 U108.3 ; v1(24.75,26.25) 24.885,26.385 U106.3 ; v1(24.75,29.5) 24.885,29.635 U104.3
Master1: R114.1 U100.7 | length 11.7
  Top Layer w0.3: v1(41.5,16.75) 41.851,17.101 U100.7
  Top Layer w0.4: R114.1 41.5,23.75 v1(41.5,22)
  Bottom Layer w0.3: v1(41.5,16.75) v1(41.5,22)
Master2: R122.1 U100.12 | length 8.9
  Top Layer w0.3: R122.1 39.149,14.601 U100.12
NetC100_1: C100.1 U100.23 V100.2 | length 4.7
  Top Layer w0.3: U100.23 49.366,12.384 49.975,11.775 C100.1 51,9.85 V100.2
NetC102_1: C102.1 U100.24 V100.1 | length 6
  Top Layer w0.3: U100.24 49.866,12.634 50,12.5 52.275,12.5 C102.1 53,9.85 V100.1
NetC107_1: C107.1 R105.1 | length 1.5
  Top Layer w0.4: C107.1 24.7,8.55 R105.1
NetC112_2: C112.2 C113.2 U100.43 | length 3.6
  Top Layer w0.3: U100.43 46.866,22.341 C112.2 47.775,24.475 C113.2
NetD100_1: D100.1 R100.2 | length 1
  Top Layer w0.4: R100.2 D100.1
NetD101_3: D101.3 L101.1 X100.2 | length 5.6
  Top Layer w0.3: L101.1 56.648,18.748 59.002,18.748 59.7,18.05 D101.3 ; D101.3@59.877,17.829 60.298,18.25 X100.2
NetD101_4: D101.4 L101.4 X100.3 | length 8.4
  Top Layer w0.3: L101.4 56.65,19.25 58.921,19.25 59.7,20.029 D101.4 60.5,19.5 62.05,19.5 X100.3
NetD102_1: D102.1 R106.2 | length 1
  Top Layer w0.4: R106.2 D102.1
NetD102_2: D102.2 U100.27 | length 4.9
  Top Layer w0.3: U100.27 53.649,15.601 D102.2
NetD103_1: D103.1 R107.2 | length 1
  Top Layer w0.4: R107.2 D103.1
NetD103_2: D103.2 U100.28 | length 6.4
  Top Layer w0.3: U100.28 54.399,16.101 D103.2
NetD104_1: D104.1 R108.2 | length 1
  Top Layer w0.4: R108.2 D104.1
NetD104_2: D104.2 U100.29 | length 7.8
  Top Layer w0.3: U100.29 55.149,16.601 D104.2
NetD105_1: D105.1 R109.2 | length 1
  Top Layer w0.4: R109.2 D105.1
NetD105_2: D105.2 U100.30 | length 9.3
  Top Layer w0.3: U100.30 55.899,17.101 D105.2
NetD106_2: D106.2 R110.1 | length 23.4
  Top Layer w0.3: D106.2 15.889,36.861 31.639,36.861 35,33.5 R110.1@37.73,33.5
NetD107_2: D107.2 R111.1 | length 23.9
  Top Layer w0.3: D107.2 16.1,36.25 31.5,36.25 35.667,32.083 R111.1
NetD108_2: D108.2 R112.1 | length 25.2
  Top Layer w0.3: D108.2 18.5,35.75 31.25,35.75 36.314,30.686 R112.1
NetD109_2: D109.2 R113.1 | length 25.8
  Top Layer w0.3: D109.2 16.121,31.9 19.471,35.25 31,35.25 36.961,29.289 R113.1
NetD110_1: D110.1 R116.2 | length 3.7
  Top Layer w0.4: R116.2 13.8,28 D110.1
NetD110_2: D110.2 V101.3 | length 1.3
  Top Layer w0.3: D110.2 V101.3
NetD111_1: D111.1 R125.2 | length 3.3
  Top Layer w0.4: R125.2 12.8,19 D111.1
NetD111_2: D111.2 V102.3 | length 1.3
  Top Layer w0.3: D111.2 V102.3
NetL102_1: L102.1 U103.6 | length 8.1
  Top Layer w0.5: L102.1 18.37,4.55 U103.6
NetL103_2: L103.2 U103.1 | length 5.4
  Top Layer w0.6: U103.1 L103.2
NetR101_2: R101.2 X100.Shell | length 3.6
  Top Layer w0.6: R101.2 64.37,27.13 X100.Shell@66,25.5
NetR102_1: R102.1 U100.15 | length 4.6
  Top Layer w0.3: R102.1 44.356,11.25 45.366,12.26 U100.15
NetR103_1: R103.1 U100.16 | length 5.8
  Top Layer w0.3: R103.1 43.5,9.75 45.866,12.116 U100.16
NetR104_1: R104.1 U102.1 | length 1.6
  Top Layer w0.4: R104.1 17.2,11.2 U102.1
NetR110_2: R110.2 U100.39 | length 23.2
  Top Layer w0.3: R110.2@39.262,33.333 41.147,31.448 41.147,27.765 43.912,25 v1(44.25,25) ; v1(43.5,22) 43.5,21 45.5,19 48,19 48.866,19.866 U100.39
  Bottom Layer w0.3: v1(43.5,22) 43.5,24.25 v1(44.25,25)
NetR111_2: R111.2 U100.41 | length 18.7
  Top Layer w0.3: R111.2 39.242,32.083 40.639,30.686 40.639,27.511 v1@44.575,23.575 ; v1(45.75,20.25) 46.5,19.5 47.25,19.5 47.866,20.116 U100.41
  Bottom Layer w0.3: v1(44.592,23.592) 44.592,21.408 v1(45.75,20.25)
NetR112_2: R112.2 U100.47 | length 11.4
  Top Layer w0.3: R112.2@39.236,30.692 40.131,29.797 40.131,27.13 44.866,22.395 U100.47
NetR113_2: R113.2 U100.48 | length 9.8
  Top Layer w0.3: R113.2@39.242,29.289 39.242,27.257 44.366,22.133 U100.48
NetR114_2: R114.2 U104.1 | length 6.4
  Top Layer w0.4: U104.1 35.385,28.365 R114.2
NetR115_2: R115.2 U105.4 U106.4 | length 6.1
  Top Layer w0.4: U105.4 21.345,25.905 R115.2 22.365,25.115 U106.4
NetR117_2: R117.2 U106.1 | length 2.3
  Top Layer w0.4: U106.1 33.385,25.115 R117.2
NetR118_2: R118.2 U107.1 | length 2.1
  Top Layer w0.4: R118.2 24.5,22.75 24.885,23.135 U107.1
NetR122_2: R122.2 U108.1 | length 1.9
  Top Layer w0.4: U108.1 33.635,18.615 R122.2
NetR124_1: R124.1 U109.4 U110.4 | length 6.3
  Top Layer w0.4: U109.4 21.345,16.905 R124.1 24,16 24.635,15.365 U110.4
NetR126_2: R126.2 U110.1 | length 2
  Top Layer w0.4: U110.1 34.135,15.365 R126.2
NetR127_1: R127.1 U111.1 | length 2
  Top Layer w0.4: R127.1 25.565,13.25 U111.1
NetU100_21: U100.21 X101.2 | length 7.4
  Top Layer w0.3: X101.2 46.5,7 48.366,8.866 U100.21
NetU100_22: U100.22 X101.3 | length 6.2
  Top Layer w0.3: X101.3 48.866,7.326 U100.22
NetU104_4: U104.4 V101.1 | length 5.6
  Top Layer w0.3: V101.1 24.835,27.5 U104.4
NetU105_1: U105.1 U107.2 | length 5.8
  Top Layer w0.4: U105.1 22.405,22.095 22.75,21.75 25.585,21.75 U107.2
NetU108_4: U108.4 V102.1 | length 5.2
  Top Layer w0.3: V102.1 25.585,18.5 U108.4
NetU109_1: U109.1 U111.2 | length 6.1
  Top Layer w0.4: U109.1 22.155,13.095 23.135,12.115 U111.2
RESETN: R121.2 U100.40 X103.10 | length 9.7
  Top Layer w0.3: X103.10 47.602,27.765 R121.2 50.303,27.303 v1(49.5,26.5) ; U100.40 48.366,22.616 48.5,22.75 48.5,23.75 49,24.25 v1(49,24.75)
  Bottom Layer w0.3: v1(49,24.75) 49.5,25.25 v1(49.5,26.5)
RX_LIN1: R119.2 U100.2 U100.38 U107.4 | length 21.6
  Top Layer w0.3: R119.2@34.115,23.135 R119.2 35.5,21.75 39.5,21.75 41.649,19.601 U100.2 43.899,19.601 45,18.5 48.5,18.5 49.366,19.366 U100.38
  Top Layer w0.4: U107.4 R119.2@34.115,23.135
RX_LIN2: R128.1 U100.11 U100.14 U111.4 | length 19.3
  Top Layer w0.3: U111.4 37.365,13.385 38,12.75 43.25,12.75 44,12 44.466,12 44.866,12.4 U100.14 44.866,14.134 43.899,15.101 U100.11 41.899,15.101 R128.1
SWCLK: R120.2 U100.45 X103.4 | length 14.2
  Top Layer w0.3: U100.45 45.866,31.214 46.217,31.565 X103.4 47.602,31.575 R120.2
SWDIO: U100.46 X103.2 | length 13.1
  Top Layer w0.3: U100.46 45.366,23.943 45.366,32.238 45.963,32.835 X103.2
TX_LIN1: U100.1 U106.2 | length 13.2
  Top Layer w0.3: U106.2 35.865,26.385 42.149,20.101 U100.1
TX_LIN2: U100.13 U110.2 | length 13.5
  Top Layer w0.3: U110.2 36.365,16.635 39.5,13.5 43.967,13.5 U100.13
USB_N: L101.2 U100.33 | length 2.3
  Top Layer w0.3: U100.33 53.499,18.601 L101.2
USB_P: L101.3 U100.34 | length 2.5
  Top Layer w0.3: U100.34 52.976,19.101 52.977,19.102 53.202,19.102 L101.3 ; L101.3@53.808,19.466 L101.3@53.844,19.502
VBUS: D101.5 L100.1 X100.1 | length 7.4
  Top Layer w0.4: D101.5 57.8,20.8 58.571,21.571 60.479,21.571
  Top Layer w0.6: L100.1 59.308,22.742 60.479,21.571 X100.1
X_LIN1: C114.2 R116.1 U105.6 X102.7 | length 12.3
  Top Layer w0.4: X102.7 8.12,20.87 10.5,23.25 C114.2 R116.1 12.335,24.635 U105.6
X_LIN2: C117.2 R125.1 U109.6 X102.8 | length 11.1
  Top Layer w0.4: X102.8 7.87,18.13 9.5,16.5 10.45,16.5 C117.2 R125.1 13.165,15.635 U109.6
pads on no net: D101.1 MTG100.1 MTG101.1 PM100.1 PM101.1 U100.4 U100.8 U100.9 U100.10 U100.19 U100.20 U100.25 U100.26 U100.31 U100.32 U100.37 U101.4 U105.3 U105.8 U109.3 U109.8 X102.1 X102.2 X102.4 X102.5 X102.6 X102.9 X102.SH X103.6 X103.7 X103.8

## Polygon pours and split planes (outlines as drawn)
GND on Bottom Layer "GND_L02_P006" (solid, remove dead copper, pour order 6): 32,39 69,39 69,0 32,0
GND2 on Bottom Layer "GND2_L02_P007" (solid, remove dead copper, pour order 7): 25.5,29.563 24.948,30 6.25,30 6.25,0.026 23.75,0.101 25.5,1.851

## Keep-outs
Keep-Out Layer:
  circle w0.254: c5.715,32 r3.5
  circle w0.254: c5.715,7 r4

## Other copper
Top Layer:
  text "0" at 12.3,35.8 h1.4
  text ">" at 41.3,32.55 h0.8
  text "1" at 12.3,31.8 h1.4
  text "0" at 11.8,22.05 h1.4
  text "1" at 11.8,13.55 h1.4
Bottom Layer:
  text "D5035-51-01" at 1.397,11.001 h1.52 r270

## Silkscreen, mask and mechanical layers (free items; w line width, h text height)
Top Solder:
  rectangle: 28,10 30,32
  text "0" at 12.3,35.8 h1.4
  text ">" at 41.3,32.55 h0.8
  text "1" at 12.3,31.8 h1.4
  text "0" at 11.8,22.05 h1.4
  text "1" at 11.8,13.55 h1.4
Bottom Solder:
  rectangle: 28,10 30,32
M1_Dimension:
  the board outline again, w0.254

## Dimensions
0,2 to 69,37 on M2_Measures
67,39 to 67,0 on M2_Measures